# Altium PCB OldBoard.PcbDoc (part 3 of 3)
Units mm, origin at the board's own origin, x right, y up, seen from the top; angles counter-clockwise.
Board outline 125 x 109.7 mm, 2 copper layers (L1_Top, L14_Bot), stack 1.671 mm thick; 198 components, 135 nets, 569 pads, 819 vias.
Unrouted connection lines stored in the file: 121.
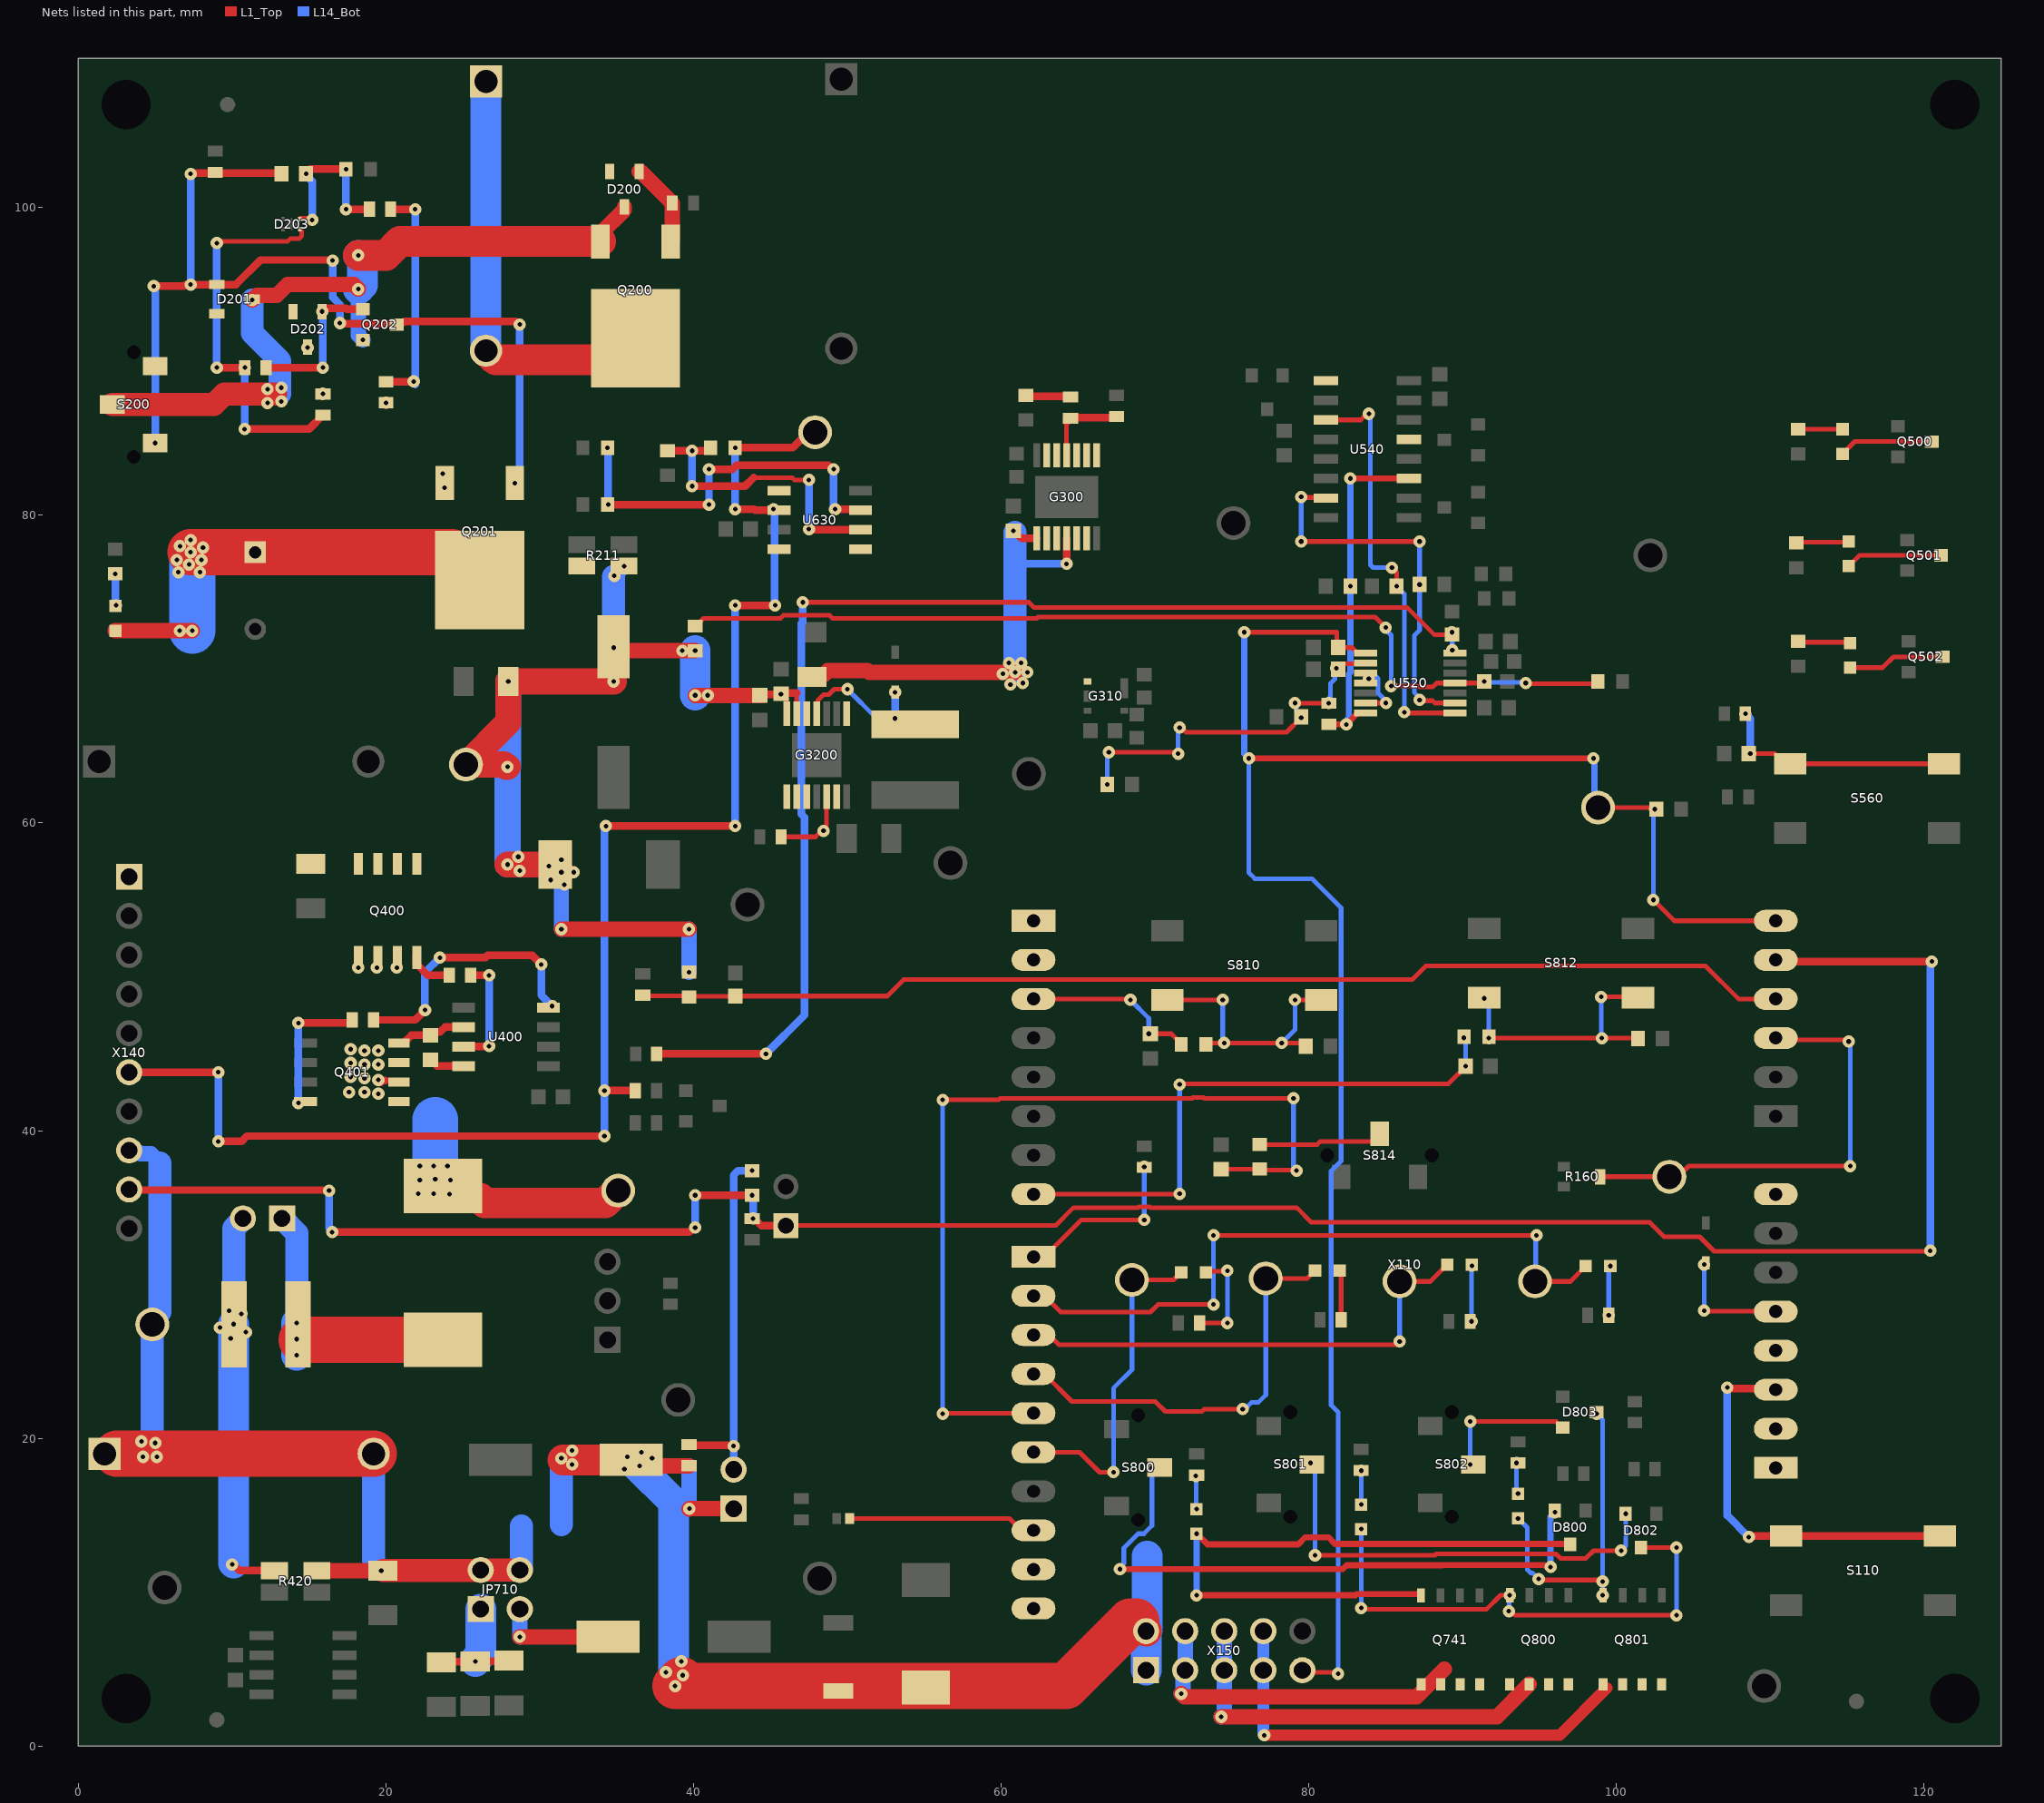
[diagram p3: the nets of this part, all layers, seen from the top]

## Via types
v1: diameter 0.8, hole 0.3, L1_Top to L14_Bot, tented both sides, 819 vias

## Nets (pads, with @x,y where several pads share a name; then routed paths per layer and width w, separated by ;. In a path a pad name is that pad's centre, name@x,y a point inside that pad or via, vN(x,y) a via of type N, cw(c..) or ccw(c..) an arc to the next point about the centre after c; other vN are vias at no path point) (continued)
Input_Current: R110.2 R634.2 TP630.1 U630.6 X140.6 | length 101.5
  L1_Top w0.5: X140.6@3.3,43.8 v1(9.1,43.8) ; v1(9.1,39.3) 10.606,39.3 10.956,39.65 v1(34.2,39.65) ; v1(34.2,42.6) R110.2@36.21,42.6 ; v1(34.3,59.8) v1(42.7,59.8) ; v1(42.7,74.15) v1(45.3,74.15) ; v1(42.7,80.4) 43.937,80.4 44.002,80.335 U630.6@45.2,80.335 ; v1(42.7,84.4) 46.44,84.4 47.44,85.4 TP630.1@47.9,85.4
  L14_Bot w0.5: v1(9.1,39.3) v1(9.1,43.8) ; v1(34.2,39.65) 34.2,59.619 34.3,59.719 v1(34.3,59.8) ; v1(42.7,59.8) v1(42.7,74.15) ; v1(42.7,80.4) v1(42.7,84.4) ; v1(45.2,80.4) 45.25,80.35 45.25,74.2 v1(45.3,74.15)
INV_TLV197: R633.2 R634.1 U630.2 | length 19.8
  L1_Top w0.3: 43.893,82.45 46.411,82.45 46.561,82.3 v1(47.5,82.3)
  L1_Top w0.5: R633.2@38.35,84.15 R633.2@38.3,84.2 40.925,84.2 41.1,84.375 R634.1@41.1,84.4 R634.1@41.05,84.35 ; v1(39.9,81.9) 43.343,81.9 43.893,82.45 ; v1(47.5,79.1) 47.535,79.065 U630.2@50.85,79.065
  L14_Bot w0.5: v1(39.9,81.9) v1(39.9,84.2) ; v1(47.5,79.1) v1(47.5,82.3)
Load1: Q741.5 Q741.6 Q741.7 Q741.8 X150.3 X150.4 | length 22.1
  L1_Top w1: v1(71.7,3.4) 71.9,3.2 87,3.2 88.8,5
  L14_Bot w1: v1(71.7,3.4) 71.826,3.526 71.826,4.796 X150.3@71.96,4.93 X150.4@71.96,7.47
Load2: Q800.5 Q800.6 Q800.7 Q800.8 X150.5 X150.6 | length 26.6
  L1_Top w1: v1(74.3,1.9) 92.218,1.9 Q800.6@94.33,4.013
  L14_Bot w1: v1(74.3,1.9) 74.5,2.1 X150.6@74.5,7.47
Load3: Q801.5 Q801.6 Q801.7 Q801.8 X150.7 X150.8 | length 30.3
  L1_Top w0.75: v1(77.1,0.7) 96.3,0.7 Q801.5@99.371,3.771
  L14_Bot w0.75: X150.8@77.04,7.47 77.04,0.774 77.1,0.714 v1(77.1,0.7)
NetC210_1: C210.1 D210.2 Q201.2 R211.2 | length 31
  L1_Top w1: D210.2@2.4,72.5 v1(7.4,72.5)
  L1_Top w2: Q201.2@24.3,77.6 Q201.2@26.1,75.8 Q201.2@27,76.7
  L1_Top w3: v1(7.3,77.6) C210.1@11.5,77.6 Q201.2@24.3,77.6
  L14_Bot w0.5: v1(7.3,77.6) v1@7.4,77.5
  L14_Bot w3: v1(7.4,72.5) v1@7.4,77.5
  other v1: 6.594,72.5 6.5,76.3 7.9,76.3 7.2,76.8 6.4,77.1 8,77.1 8.1,77.9 6.6,78 7.3,78.4
NetC500_1: C500.1 R507.2 S560.1 S560.2 | length 15.7
  L1_Top w0.3: C500.1@108.6,64.5 v1(108.7,64.5) 110.3,64.5 110.95,63.85 S560.1@111.3,63.85 S560.2@121.3,63.85
  L14_Bot w0.5: v1(108.38,67.1) 108.7,66.78 v1(108.7,64.5)
NetC506_2: C506.2 R506.2 U520.7 | length 82.3
  L1_Top w0.3: v1(47.1,74.35) 61.794,74.35 62.144,74 86.4,74 88.15,72.25 C506.2@89.3,72.25 v1(89.3,72.4) ; U520.7@89.35,71.145 89.35,71.125 89.425,71.05 U520.7@89.5,71.05
  L1_Top w0.5: R506.2@37.6,45 v1(44.7,45)
  L14_Bot w0.3: v1(89.3,72.4) 89.325,72.375 89.325,71.17 v1@89.35,71.145
  L14_Bot w0.5: v1(44.7,45) 47.2,47.5 47.2,60.382 47,60.582 47,72.95 47.1,73.05 v1(47.1,74.35)
  other v1: 89.325,71.234
NetC521_2: C521.2 R510.2 R511.2 U520.4 | length 62.8
  L1_Top w0.3: R510.2@40.1,72.8 40.15,72.8 40.65,73.3 45.652,73.3 45.852,73.5 48.836,73.5 49.036,73.3 62.292,73.3 62.392,73.4 84.3,73.4 v1(85,72.7) ; v1(85.35,68.9) 87.153,68.9 87.203,68.85 88.052,68.85 88.302,69.1 U520.4@89.5,69.1 91.3,69.1 v1(91.4,69.2) ; v1(94.1,69.1) 94.15,69.05 98.35,69.05 R511.2@98.4,69
  L14_Bot w0.3: v1(85,72.7) 85,72.565 85.35,72.215 v1(85.35,68.9) ; v1(91.4,69.2) 91.45,69.15 94.05,69.15 v1(94.1,69.1)
NetC710_2: C710.2 C711.2 C712.2 JP710.1 | length 8
  L1_Top w0.5: C711.2@23.6,5.45 23.625,5.475 25.775,5.475 v1(25.8,5.5) 25.825,5.525 27.975,5.525 C712.2@28,5.55
  L14_Bot w2: v1(25.8,5.5) 25.8,5.581 26.16,5.941 JP710.1@26.16,8.9
NetC715_1: C715.1 JP710.3 | length 7.6
  L1_Top w1: v1(28.7,7.1) C715.1@34.45,7.1
  L14_Bot w1: v1(28.7,7.1) JP710.3@28.7,8.9
NetD112_1: D112.1 X110.5A | length 7.8
  L1_Top w0.3: v1(105.7,28.3) 105.728,28.272 110.332,28.272 X110.5A@110.36,28.244 ; v1(105.7,31.3) D112.1@105.8,31.4
  L14_Bot w0.3: v1(105.7,28.3) v1(105.7,31.3)
NetD200_2: D200.2
NetD201_2: D201.2
NetD202_2: D202.2
NetD210_1: D210.1 R210.1 | length 2.1
  L14_Bot w0.5: v1(2.4,76.2) 2.4,74.2 v1(2.45,74.15)
NetD320_1: D320.1 G3200.11 L320.1 | length 8.7
  L1_Top w0.3: G3200.11@48,67.1 48,67.325 48.075,67.4 48.075,67.975 48.45,68.35 48.786,68.35 49.136,68.7 v1(50,68.7)
  L14_Bot w0.3: v1(50,68.7) 51.9,66.8
  L14_Bot w0.5: 51.9,66.8 v1(53.1,66.8) v1(53.1,68.5)
  other v1: 53.1,66.8
NetD502_1: D502.1 R552.2 | length 3.4
  L1_Top w0.3: R552.2@111.7,78.2 111.75,78.25 115.05,78.25 D502.1@115.1,78.3
NetD502_2: D502.2 Q501.3 | length 6.3
  L1_Top w0.3: D502.2@115.1,76.7 115.8,77.4 Q501.3@121.1,77.4
NetD503_1: D503.1 R553.2 | length 3.4
  L1_Top w0.3: R553.2@111.8,71.8 111.85,71.75 115.15,71.75 D503.1@115.2,71.7
NetD503_2: D503.2 Q502.3 | length 6.3
  L1_Top w0.3: D503.2@115.2,70.1 117.3,70.1 118,70.8 Q502.3@121.2,70.8
NetD550_1: D550.1 R551.1 | length 2.9
  L1_Top w0.3: R551.1@111.8,85.6 D550.1@114.7,85.6
NetD550_2: D550.2 Q500.3 | length 6.1
  L1_Top w0.3: D550.2@114.7,84 115.5,84.8 Q500.3@120.5,84.8
NetD741_1: D741.1 R800.1 | length 2.2
  L14_Bot w0.3: v1(72.65,17.56) 72.675,17.535 72.675,15.425 v1(72.7,15.4)
NetD741_2: D741.2 D800.3 Q741.4 | length 43.7
  L1_Top w0.4: v1(72.7,9.8) 83.041,9.8 83.117,9.876 87.245,9.876 87.295,9.826 Q741.4@87.295,9.794 ; v1(72.7,13.8) 73.4,13.1 79.3,13.1 79.766,13.566 81.271,13.566 81.694,13.143 96.957,13.143 D800.3@97,13.1
  L14_Bot w0.4: v1(72.7,9.8) v1(72.7,13.8)
NetD801_1: D801.1 R801.1 | length 3.2
  L14_Bot w0.3: v1(99.5,28) 99.5,31.1 v1(99.6,31.2)
NetD802_3: D802.3 D804.2 Q800.4 | length 34
  L1_Top w0.3: v1(83.4,8.975) 83.457,8.918 83.818,8.918 83.854,8.881 91.541,8.881 92.46,9.8 v1(93.06,9.8) ; v1(93,8.768) 93.135,8.768 93.385,8.518 103.883,8.518 v1(103.9,8.5) ; D802.3@101.6,12.9 v1(103.9,12.9)
  L14_Bot w0.3: v1(83.4,8.975) v1(83.4,14.1) ; v1(93,8.768) 93.03,8.798 93.03,9.77 v1(93.06,9.8) ; v1(103.9,8.5) v1(103.9,12.9)
NetD803_3: D803.3 D805.2 Q801.4 | length 20.8
  L1_Top w0.3: v1(94.943,10.861) 95.011,10.793 99.007,10.793 v1(99.1,10.7) ; v1(99.1,9.8) Q801.4@99.13,9.8
  L14_Bot w0.3: v1(93.6,14.8) 94.2,14.2 94.2,11.469 94.412,11.256 94.526,11.256 94.921,10.861 v1(94.943,10.861) ; v1(98.7,21.6) 99.1,21.2 v1(99.1,10.7) v1(99.1,9.8)
NetD804_1: D804.1 R802.1 | length 2.2
  L1_Top w0.3: v1(83.4,17.9) R802.1@83.4,17.91
  L14_Bot w0.3: v1(83.4,15.7) v1(83.4,17.9)
NetD805_1: D805.1 R803.1 | length 2.1
  L1_Top w0.3: v1(93.5,18.4) R803.1@93.6,18.4
  L14_Bot w0.3: v1(93.5,18.4) 93.5,16.5 v1(93.6,16.4)
NetD806_1: D806.1 R804.1 | length 3.7
  L1_Top w0.3: R804.1@90.49,27.6 v1(90.575,27.6)
  L14_Bot w0.3: v1(90.575,27.6) 90.575,31.194 v1(90.6,31.219)
NetD807_1: D807.1 R805.1 | length 3.2
  L1_Top w0.3: D807.1@82,30.9 82.1,30.8 R805.1@82.1,27.7
NetD808_1: D808.1 R806.1 | length 6.7
  L1_Top w0.3: R806.1@72.89,27.5 v1(74.7,27.5) ; D808.1@73.3,30.8 73.35,30.85 74.65,30.85 v1(74.7,30.9)
  L14_Bot w0.3: v1(74.7,27.5) v1(74.7,30.9)
NetG300_2: G300.2
NetG300_3: G300.3
NetG300_5: G300.5
NetG300_6: G300.6
NetG300_8: G300.8
NetG300_9: G300.9
NetG300_10: G300.10
NetG300_12: G300.12
NetG300_13: G300.13
NetG310_1: G310.1
NetG3200_1: G3200.1
NetG3200_2: G3200.2
NetG3200_3: G3200.3
NetG3200_5: G3200.5 R320.1 | length 5
  L1_Top w0.3: R320.1@45.69,59.1 47.92,59.1 v1@48.267,59.447 ; v1(48.444,59.489) 48.444,59.624 48.65,59.83 G3200.5@48.65,61.7
NetG3200_6: G3200.6
NetG3200_8: G3200.8
NetG3200_12: G3200.12
NetJP421_1: JP421.1 L420.2 L421.1 | length 17.7
  L1_Top w3: L421.1@14.5,26.4 L420.2@23.7,26.4
  L14_Bot w1.5: JP421.1@13.24,34.3 14.2,33.34 14.2,28.326
  L14_Bot w2: v1(14.2,25.4) v1(14.2,26.45) v1(14.2,27.5)
NetJP421_2: JP421.2 L421.2 R420.1 | length 25.7
  L1_Top w0.5: v1(10,11.8) 10.081,11.8 10.481,11.4 R420.1@12.75,11.4 ; v1(10.1,27.425) L421.2@10.125,27.4
  L14_Bot w0.5: v1(10,11.8) v1@10.1,11.9
  L14_Bot w1.5: v1(10.1,27.425) 10.1,33.646 10.7,34.246 JP421.2@10.7,34.3
  L14_Bot w2: v1@10.1,11.9 v1(10.1,27.425)
  other v1: 9.9,26.5 10.9,26.9 9.2,27.2 10.6,28.1 9.8,28.3
NetQ400_4: Q400.4 R400.1 | length 2.9
  L1_Top w0.5: Q400.4@21.97,51.3 21.97,50.85 22.72,50.1 R400.1@24.12,50.1
NetQ401_4: Q401.4 R401.1 | length 8.9
  L1_Top w0.5: Q401.4@14.29,41.81 v1(14.3,41.8) ; v1(14.3,47) 17.7,47 17.81,47.11 R401.1@17.81,47.2
  L14_Bot w0.5: v1(14.3,41.8) v1(14.3,47)
NetR112_2: R112.2 X110.1C | length 11.7
  L1_Top w0.3: X110.1C@62.1,31.8 62.811,31.8 64.286,33.275 64.286,33.286 65.2,34.2 v1(69.3,34.2) ; R112.2@69.3,37.61 v1(69.3,37.65)
  L14_Bot w0.3: v1(69.3,34.2) v1(69.3,37.65)
NetR204_2: R204.2 R205.2 | length 14.8
  L1_Top w0.5: R204.2@20,88.68 20.01,88.69 21.79,88.69 v1(21.8,88.7) ; R205.2@20.3,99.9 v1(21.9,99.9)
  L14_Bot w0.5: v1@21.9,88.5 v1(21.9,99.9)
NetR301_2: R301.2 R302.2 | length 2.9
  L1_Top w0.5: R301.2@61.6,87.8 61.655,87.745 64.445,87.745 R302.2@64.5,87.69
NetR400_2: R400.2 U400.7 | length 7.4
  L1_Top w0.5: U400.7@25.1,45.465 26.665,45.465 v1(26.7,45.5) ; R400.2@25.5,50.1 v1(26.7,50.1)
  L14_Bot w0.5: v1(26.7,45.5) v1(26.7,50.1)
NetR401_2: R401.2 U400.4 | length 17.3
  L1_Top w0.5: R401.2@19.19,47.2 21.9,47.2 v1(22.537,47.837) ; v1(23.5,51.25) 26.466,51.25 26.616,51.4 29.5,51.4 v1(30.1,50.8)
  L14_Bot w0.5: v1(22.537,47.837) 22.537,50.287 v1(23.5,51.25) ; v1(30.1,50.8) 30.1,48.8 v1(30.8,48.1)
NetR810_1: R810.1 R811.1 S810.1 S810.2 | length 17.9
  L1_Top w0.3: S810.2@70.8,48.5 v1(74.4,48.5) ; R811.1@73.3,45.6 73.4,45.7 v1(74.5,45.7) v1(78.234,45.7) 79.6,45.7 R810.1@79.8,45.5 ; v1(79.1,48.5) S810.1@80.8,48.5
  L14_Bot w0.3: v1(74.4,48.5) 74.4,45.8 v1(74.5,45.7) ; v1(78.234,45.7) 79.1,46.566 v1(79.1,48.5)
NetR812_1: R812.1 R813.1 S812.1 S812.2 | length 17.6
  L1_Top w0.3: R813.1@91.7,46.1 v1(91.7,46.008) v1(99.053,46.008) 101.392,46.008 R812.1@101.4,46 ; v1(99,48.7) 101.35,48.7 S812.1@101.4,48.65
  L14_Bot w0.3: v1(91.4,48.6) 91.7,48.3 v1(91.7,46.008) ; v1(99,48.7) 99,46.061 v1(99.053,46.008)
NetR814_1: R814.1 S814.2 | length 8.1
  L1_Top w0.3: R814.1@76.8,39.1 80.538,39.1 80.738,39.3 84.15,39.3 84.6,39.75 S814.2@84.6,39.8
NetS200_3: S200.3
NetU520_10: U520.10 U520.11 U520.13 | length 3.3
  L1_Top w0.3: U520.13@83.7,67.8 v1(85.006,67.8)
  L14_Bot w0.3: 84.323,69.551 84.499,69.375 84.499,68.442 85.006,67.935 v1(85.006,67.8)
  other v1: 83.899,69.375
NetU540_1: U540.1
NetU540_13: U540.13
NetU630_1: U630.1
NetU630_5: U630.5
NetU630_8: U630.8
Netw-: R720.1 R721.2 X720.2 | length 23.4
  L1_Top w0.5: R720.1@39.7,19.6 39.75,19.55 42.55,19.55 v1(42.6,19.5)
  L14_Bot w0.5: X720.2@42.6,17.97 v1(42.6,19.5) 42.6,37.107 42.893,37.4 v1(43.8,37.4)
NetX100_1: Q200.2 Vin_unf.1 Vin_unf.2 | length 28
  L1_Top w2: Vin_unf.2@26.5,90.7 26.527,90.7 27.127,90.1 34.82,90.1 Q200.2@36.22,91.5
  L14_Bot w2: Vin_unf.2@26.5,90.7 Vin_unf.1@26.5,108.2
NetX105_1: X105.1 X110.8C | length 12.3
  L1_Top w0.3: X105.1@50.134,14.8 60.527,14.8 61.307,14.02 X110.8C@62.1,14.02
NetX110_1A: X110.1A
NetX110_1D: X110.1D
NetX110_2A: X110.2A
NetX110_2D: X110.2D
NetX110_4A: X110.4A
NetX110_8A: X110.8A
NetX110_9C: X110.9C
NetX110_10C: X110.10C
NINV_TLV197: R631.2 R632.1 U630.3 | length 25.2
  L1_Top w0.5: R631.2@34.4,80.7 v1(34.445,80.7) v1(41,80.7) ; v1(41,83) 42.528,83 42.778,83.25 48.769,83.25 49.019,83 v1(49.1,83) ; v1(49.2,80.4) 50.235,80.4 50.25,80.385 50.8,80.385 U630.3@50.85,80.335
  L14_Bot w0.5: v1(34.4,84.4) 34.445,84.355 v1(34.445,80.7) ; v1(41,80.7) v1(41,83) ; v1(49.1,83) 49.1,80.5 v1(49.2,80.4)
NTC_ext: C533.2 R532.1 TP532.1 U520.8 X110.6B X150.9 | length 128.8
  L1_Top w0.3: v1(75.8,72.4) 81.824,72.4 81.824,71.476 C533.2@81.9,71.4 82.825,71.4 83.175,71.05 U520.8@83.7,71.05 ; X150.9@79.58,4.93 79.714,4.796 81.804,4.796 v1(81.9,4.7) ; TP532.1@98.8,61 102.4,61 v1(102.5,60.9) ; v1(102.4,55) 103.756,53.644 X110.6B@110.36,53.644
  L1_Top w0.4: v1(76.1,64.2) v1(98.5,64.2)
  L14_Bot w0.3: v1(76.1,64.2) 76.1,56.776 76.496,56.38 80.2,56.38 82.1,54.48 82.1,38.027 81.45,37.377 81.45,22.154 81.9,21.704 v1(81.9,4.7) ; TP532.1@98.8,61 TP532.1@98.904,60.896 ; v1(102.4,55) 102.4,60.8 v1(102.5,60.9) ; X110.6B@110.2,53.804 X110.6B@110.36,53.644
  L14_Bot w0.4: v1@75.7,72.3 v1(75.8,72.4) 75.8,64.5 v1(76.1,64.2) ; v1(98.5,64.2) 98.577,64.123 98.577,61.223 TP532.1@98.8,61
NTC_Ext_Thresh: C530.2 R500.1 R502.2 R528.2 U520.9 | length 24.1
  L1_Top w0.3: v1(67,64.6) 71.4,64.6 v1(71.5,64.5) ; v1(71.6,66.2) 71.726,66.2 72.026,65.9 78.55,65.9 v1(79.5,66.85) ; v1(79.1,67.8) 79.105,67.795 v1(81.295,67.795) R528.2@81.3,67.79 ; C530.2@82.225,70.35 83.65,70.35 U520.9@83.7,70.4
  L14_Bot w0.3: v1(66.9,62.5) 66.9,64.5 v1(67,64.6) ; v1(71.5,64.5) 71.5,66.1 v1(71.6,66.2) ; v1(79.1,67.8) 79.196,67.704 79.196,67.29 79.5,66.985 v1(79.5,66.85) ; v1(81.295,67.795) 81.391,67.891 81.391,68.211 81.4,68.221 81.4,69.067 81.685,69.352 81.685,69.971 v1(81.781,70.067)
Ov_Gate: D202.1 Q202.1 R203.1 | length 10.2
  L1_Top w0.5: R203.1@12.2,89.6 v1(15.9,89.6) ; v1(15.85,93.25) 15.85,93.4 15.9,93.45 17.394,93.45 17.444,93.4 Q202.1@18.5,93.4
  L14_Bot w0.5: v1(15.85,93.25) 15.9,93.2 v1(15.9,89.6)
Overcurr: R501.1 U520.1 U540.3 | length 27.4
  L1_Top w0.3: U540.3@81.1,86.205 83.37,86.205 83.765,86.6 v1(83.9,86.6) ; v1(85.4,76.6) 85.7,76.3 v1(85.7,75.4) ; v1(86.2,67.2) 86.25,67.15 U520.1@89.5,67.15
  L14_Bot w0.3: v1(83.9,86.6) 84,86.5 84,76.776 84.176,76.6 v1(85.4,76.6) ; v1(85.7,75.4) 86.2,74.9 v1(86.2,67.2)
Overtemp_Ext: R527.1 R528.1 U520.14 U540.11 | length 22.6
  L1_Top w0.4: R528.1@81.3,66.41 v1(82.435,66.41) 83.175,67.15 U520.14@83.7,67.15 ; v1(82.7,82.4) 82.702,82.398 86.498,82.398 U540.11@86.5,82.395
  L14_Bot w0.4: v1(82.435,66.41) 82.512,66.487 82.512,66.756 82.6,66.844 82.6,69.694 82.7,69.794 v1(82.7,75.4) v1(82.7,82.4)
Pwr_Gate: D201.1 Q201.1 Q202.3 R209.2 R214.2 S200.1 | length 62
  L1_Top w0.5: v1(4.9,94.9) 6.869,94.9 v1@6.969,95 ; v1(7.3,95) D201.1@9,95 10.25,95 11.85,96.6 16.5,96.6 v1(16.533,96.567) ; v1(7.3,102.2) 7.35,102.25 8.85,102.25 R209.2@8.9,102.3 8.95,102.25 13.15,102.25 R214.2@13.2,102.2 ; v1(17,92.5) 17.05,92.45 20.65,92.45 Q202.3@20.7,92.4 20.85,92.55 21.143,92.55 21.193,92.6 28.419,92.6 28.619,92.4 v1(28.7,92.4)
  L14_Bot w0.5: v1(4.9,94.9) 5,94.8 v1(5,84.7) ; v1(7.3,95) v1(7.3,102.2) ; v1(16.533,96.567) 16.533,94.175 17,93.708 v1(17,92.5) ; v1(28.38,82.1) 28.7,82.42 v1(28.7,92.4)
Reset: S110.3 S110.4 X110.3A | length 25.6
  L1_Top w0.5: v1(107.2,23.3) 107.257,23.243 110.281,23.243 X110.3A@110.36,23.164 ; v1(108.6,13.584) 108.6,13.65 S110.4@111.038,13.65 S110.3@120.6,13.65
  L14_Bot w0.5: v1(107.2,23.3) 107.2,14.984 v1(108.6,13.584)
RevPolGate: D200.1 Q200.1 R200.2 | length 5.6
  L1_Top w0.3: Q200.1@38.5,97.8 Q200.1@38.61,97.91
  L1_Top w1: D200.1@36.45,102.35 36.56,102.35 R200.2@38.61,100.3 Q200.1@38.61,97.91
Switch1: D800.2 S800.2 | length 39.5
  L1_Top w0.4: v1(67.72,11.5) 82.21,11.5 82.46,11.75 88.678,11.75 88.69,11.761 95.315,11.761 95.357,11.719 95.64,11.719 v1(95.717,11.643)
  L14_Bot w0.3: v1(67.72,11.5) 67.72,11.635 67.97,11.885 67.97,12.871 68.899,13.8 69.273,13.8 69.8,14.327 v1(69.8,18.1)
  L14_Bot w0.4: v1(95.717,11.643) 95.717,14.917 v1(96,15.2)
Switch2: D802.2 S801.2 | length 28.9
  L1_Top w0.3: v1(80.4,12.4) 88.188,12.4 88.281,12.493 96.069,12.493 96.362,12.2 98.013,12.2 98.513,12.7 v1(100.3,12.7)
  L14_Bot w0.3: v1(80.1,18.4) 80.4,18.1 v1(80.4,12.4) ; v1(100.3,12.7) 100.6,13 v1(100.6,15.1)
Switch3: D803.2 S802.2 | length 9.2
  L1_Top w0.3: v1(90.5,18.3) S802.2@90.7,18.3 ; v1(90.5,21.1) 96.1,21.1 96.1,21.05 96.45,20.7 D803.2@96.5,20.7
  L14_Bot w0.3: v1(90.5,18.3) v1(90.5,21.1)
TL431ref: D203.4 R205.1 R212.1 R214.1 | length 10.7
  L1_Top w0.3: D203.4@14.4,99.3 v1@15.039,99.3
  L1_Top w0.5: v1(14.8,102.2) 14.8,102.25 15.05,102.5 v1(17.4,102.5) ; v1(17.4,99.9) R205.1@18.92,99.9
  L14_Bot w0.5: v1(14.8,102.2) 14.8,102.119 15.2,101.719 v1(15.2,99.2) ; v1(17.4,99.9) v1(17.4,102.5)
Undervolt: R509.1 U520.2 U540.7 | length 25.2
  L1_Top w0.3: v1(79.5,78.3) v1(87.2,78.3) ; v1(79.5,81.2) 79.537,81.163 81.063,81.163 U540.7@81.1,81.125 ; v1(87.2,68) 87.25,67.95 88.05,67.95 88.2,67.8 U520.2@89.5,67.8
  L14_Bot w0.3: v1(79.5,78.3) v1(79.5,81.2) ; v1(87.2,68) 87.2,68.135 86.85,68.485 86.85,72.181 87.2,72.531 v1(87.2,78.3)
  other v1: 87.2,75.5
UserBtn1: C811.2 R811.2 X110.3D | length 11.4
  L1_Top w0.3: X110.3D@62.1,48.564 68.336,48.564 v1(68.4,48.5) ; v1(69.592,46.3) C811.2@69.7,46.3 71.05,46.3 71.7,45.65 R811.2@71.7,45.6
  L14_Bot w0.3: v1(68.4,48.5) 69.592,47.308 v1(69.592,46.3)
UserBtn2: C813.2 R813.2 X110.8D | length 37.6
  L1_Top w0.3: X110.8D@62.1,35.864 71.564,35.864 v1(71.6,35.9) ; v1(71.6,43) 71.65,43.05 89.075,43.05 90.191,44.166 v1(90.191,44.191) C813.2@90.2,44.2 ; R813.2@90.042,46.036 v1(90.064,46.036)
  L14_Bot w0.3: v1(71.6,35.9) v1(71.6,43) ; v1(90.064,46.036) 90.191,45.909 v1(90.191,44.191)
UserLED1: D801.2 X110.2C X801.1 | length 44.6
  L1_Top w0.3: X110.2C@62.1,29.26 62.811,29.26 63.872,28.2 69.7,28.2 70.2,28.7 v1(73.8,28.7) ; v1(73.8,33.2) v1(94.8,33.2) ; X801.1@94.7,30.2 97,30.2 D801.2@98,31.2
  L14_Bot w0.3: v1(73.8,28.7) v1(73.8,33.2) ; X801.1@94.7,30.2 94.8,30.3 94.75,30.35 94.75,33.15 v1(94.8,33.2)
UserLED2: D806.2 X110.3C X806.1 | length 31.6
  L1_Top w0.3: X110.3C@62.1,26.72 63.115,26.72 63.754,26.081 85.681,26.081 v1(85.9,26.3) ; X806.1@85.9,30.2 87.9,30.2 D806.2@89,31.3
  L14_Bot w0.3: v1(85.9,26.3) X806.1@85.9,30.2
UserLED3: D807.2 X110.4C X805.1 | length 27.5
  L1_Top w0.3: X110.4C@62.1,24.18 62.811,24.18 64.591,22.4 70.012,22.4 70.662,21.75 73.039,21.75 73.189,21.9 v1(75.7,21.9) ; X805.1@77.2,30.4 79.9,30.4 D807.2@80.4,30.9
  L14_Bot w0.3: v1(75.7,21.9) 75.835,21.9 76.282,22.347 76.726,22.347 77.2,22.82 X805.1@77.2,30.4
UserLED4: D808.2 X110.6C X808.1 | length 22.1
  L1_Top w0.3: X110.6C@62.1,19.1 65.1,19.1 66.4,17.8 v1(67.3,17.8) ; X808.1@68.5,30.3 71.2,30.3 D808.2@71.7,30.8
  L14_Bot w0.3: v1(67.3,17.8) 67.3,23.261 68.5,24.461 X808.1@68.5,30.3
UserPot: R160.2 TP160.1 X110.3B | length 29.5
  L1_Top w0.3: R160.2@98.938,37.009 TP160.1@103.442,37.009 104.009,37.009 104.7,37.7 v1(115.2,37.7) ; X110.3B@110.36,46.024 110.488,45.896 115.004,45.896 v1(115.1,45.8)
  L14_Bot w0.3: v1(115.1,45.8) 115.2,45.7 v1(115.2,37.7)
UserSw: C814.2 R814.2 X110.5C | length 59
  L1_Top w0.3: v1(56.2,21.6) 56.24,21.64 X110.5C@62.1,21.64 ; v1(56.2,42) 59.809,42 59.914,42.105 72.403,42.105 72.448,42.15 73.152,42.15 73.197,42.105 78.995,42.105 v1(79,42.1) ; C814.2@74.3,37.5 R814.2@76.8,37.5 ; R814.2@76.8,37.6 76.95,37.45 79.15,37.45 v1(79.2,37.4)
  L14_Bot w0.3: v1(56.2,21.6) v1(56.2,42) ; v1(79,42.1) 79,37.6 v1(79.2,37.4)
VA: G300.11 R302.1 R303.2 | length 5.6
  L1_Top w0.3: G300.11@64.25,83.9 R302.1@64.25,86.06
  L1_Top w0.5: R302.1@64.25,86.06 64.255,86.065 64.255,86.2 64.365,86.31 R302.1@64.5,86.31 64.555,86.365 67.445,86.365 R303.2@67.5,86.42
VB_Buck: C402.2 U400.8 | length 2.4
  L1_Top w0.5: C402.2@22.9,44.6 22.925,44.6 23.33,44.195 U400.8@25.1,44.195
Vin: C212.1 C213.2 C220.1 C300.2 C320.2 C321.2 C404.2 D211.1 G300.1 G300.4 G3200.13 G3200.14 Q400.5 Q400.6 Q400.7 Q400.8 R211.1 R220.1 R510.1 TP211.1 X140.1 | length 102
  L1_Top w0.3: v1(45.675,68.375) 45.75,68.375 46.05,68.075 G3200.14@46.05,67.1 ; G3200.13@46.7,67.1 46.7,68.45
  L1_Top w0.5: v1(34.8,71.4) C212.1@35,71.2 ; C220.1@44.55,68.05 44.55,68.075 44.325,68.3 C220.1@44.3,68.3 44.35,68.35 45.65,68.35 v1(45.675,68.375) C320.2@45.7,68.4 45.75,68.45 46.7,68.45 ; v1(60.8,79) 60.825,79 61.325,78.5 G300.1@62.3,78.5 ; v1(64.25,76.843) G300.4@64.25,78.5
  L1_Top w1: v1(31.4,53.1) v1(39.7,53.1) ; C212.1@35,71.2 v1(40.1,71.2) ; v1(40.1,68.3) C220.1@44.3,68.3 ; C321.2@47.7,69.5 47.85,69.65 48.486,69.65 48.736,69.9 51.3,69.9 51.4,69.8 v1(60.9,69.8)
  L1_Top w1.7: v1(27.897,57.303) 27.9,57.3 30.5,57.3 v1(30.6,57.2) 30.7,57.3 30.9,57.3 v1(31.4,56.8) ; v1(27.897,63.65) 27.816,63.65 27.666,63.8 TP211.1@25.2,63.8 27.95,66.55 v1(27.95,69.2) v1(34.8,69.2)
  L14_Bot w0.5: 60.9,76.8 60.943,76.843 v1(64.25,76.843)
  L14_Bot w1: v1(31.4,53.1) v1(31.4,56.8) ; v1@34.8,76.025 v1(35.475,76.7) ; v1(39.7,50.3) v1(39.7,53.1) ; v1(60.8,79) v1@60.9,78.9
  L14_Bot w1.5: v1(34.8,69.2) v1(34.8,71.4) v1@34.8,76.025 ; v1(60.9,69.8) 60.9,76.8 v1@60.9,78.9
  L14_Bot w1.7: v1(27.897,57.303) v1(27.897,63.65) 27.95,63.65 v1(27.95,69.2)
  L14_Bot w2: v1(40.1,68.3) v1(40.1,71.2)
  other v1: 31.6,56 30.7,56.3 32.2,56.8 28.7,56.9 31.4,57.6 28.6,57.8 40.917,68.3 60.6,69 61.4,69.1 60.1,69.7 61.7,69.8 60.5,70.4 61.3,70.4 39.265,71.2 34.846,76.071
Vin_Meas: C221.2 R220.2 R221.1 X110.4B | length 75.4
  L1_Top w0.3: R221.1@36.7,48.81 36.755,48.755 39.645,48.755 R220.2@39.7,48.7 39.725,48.725 C221.2@42.725,48.725 ; C221.2@42.7,48.75 52.592,48.75 53.667,49.825 86.725,49.825 87.6,50.7 105.8,50.7 107.936,48.564 X110.4B@110.36,48.564
Vin_RevPol: D200.3 D201.3 D202.3 Q200.3 Q201.3 Q202.2 R202.2 R204.1 S200.2 | length 50
  L1_Top w1: v1(11.3,94) D201.3@11.3,94.05 ; D201.3@11.35,94.05 11.6,94.3 12.9,94.3 13.6,95 17.9,95 v1(18.2,94.7) ; Q200.3@33.94,97.8 33.94,98.3 35.5,99.86 D200.3@35.5,100.05
  L1_Top w1.5: S200.2@2.2,87.2 8.805,87.2 9.495,87.89 12.81,87.89
  L1_Top w2: v1(18.2,96.9) 20,96.9 20.9,97.8 Q200.3@33.94,97.8
  L14_Bot w1: v1(18.2,94.7) 18.2,91.7 v1(18.5,91.4)
  L14_Bot w1.5: v1(11.3,94) 11.3,91.85 13.1,90.05 13.1,87.9
  L14_Bot w2: v1(18.2,94.7) 18.472,94.972 18.472,96.628 v1(18.2,96.9)
  other v1: 23.8,81.8 23.7,82.7 12.3,87.3 20,87.32 13.2,87.4 15.9,87.9 12.3,88.2 13.2,88.3 14.9,90.9
Vout: C700.2 C701.1 D730.1 D731.1 JP710.2 JP710.4 R420.2 R720.2 TP431.1 X102.1 X102.2 X140.8 X150.1 X150.2 X720.1 | length 138.3
  L1_Top w0.5: v1(31.4,18.7) v1@31.5,18.6 ; C701.1@35.95,18.6 C701.1@36.33,18.22
  L1_Top w1: R420.2@15.5,11.4 C700.2@19.8,11.4 ; C701.1@36.33,18.22 R720.2@39.7,18.22 ; v1@39.7,15.4 v1(39.73,15.43) X720.1@42.6,15.43
  L1_Top w1.5: C700.2@19.8,11.4 19.82,11.42 26.14,11.42 JP710.2@26.16,11.44 JP710.4@28.7,11.44
  L1_Top w2: v1@31.5,18.6 C701.1@35.95,18.6 ; 68.79,8.1 X150.2@69.42,7.47
  L1_Top w3: X102.1@2.5,19 X102.2@19.2,19 ; v1@39.2,4.3 v1(38.8,3.9) 55.7,3.9 64.2,3.9 68.4,8.1 68.79,8.1
  L14_Bot w0.5: 28.75,14.25 28.8,14.3 ; 31.2,14.2 31.4,14.4 ; v1@35.95,18.6 v1@36.205,18.345 ; v1@39.7,15.4 39.7,15.85 ; X720.1@42.5,15.33 X720.1@42.6,15.43
  L14_Bot w1: X140.8@3.3,38.72 3.434,38.586 3.929,38.586 4.025,38.49 4.714,38.49 5.3,37.905 ; TP431.1@4.8,27.4 4.8,27.725 TP431.1@5.3,28.225 ; 19.2,12.081 19.8,11.481 v1@19.8,11.4 ; 39.7,15.85 39.7,18.22
  L14_Bot w1.5: v1@4.8,18.95 4.65,18.95 4.6,19 4.8,19.2 TP431.1@4.8,27.4 ; TP431.1@5.3,28.225 5.3,37.905 ; 19.2,12.081 X102.2@19.2,19 ; JP710.4@28.7,11.44 28.7,11.494 28.8,11.594 28.8,14.3 ; 31.4,14.4 v1(31.4,18.7)
  L14_Bot w2: v1@36.205,18.345 38.7,15.85 38.7,3.5 ; X150.1@69.42,4.93 X150.2@69.42,7.47 69.5,7.55 69.5,12.35
  other v1: 39.3,4.6 38.2,4.8 39.2,5.5 19.69,11.4 35.5,18 36.491,18.22 32.1,18.3 37.3,18.7 4.2,18.8 5.1,18.8 35.7,18.8 36.6,19.1 32.1,19.2 5,19.7 4.1,19.8
Vout_Meas: R721.1 R722.1 X110.5B X140.9 X400.1 | length 154.4
  L1_Top w0.3: X400.1@46,33.83 63.53,33.83 64.7,35 68.898,35 68.948,35.05 69.652,35.05 69.702,35 79.2,35 80.15,34.05 102.15,34.05 103.093,33.107 105.405,33.107 106.348,32.163 120.363,32.163 v1(120.4,32.2)
  L1_Top w0.5: X140.9@3.3,36.18 3.34,36.14 16.26,36.14 v1(16.3,36.1) ; v1(16.5,33.4) 39.719,33.4 40.019,33.7 v1(40.1,33.7) ; v1(40.1,35.8) v1(43.8,35.8) ; R722.1@43.8,34.29 v1(43.868,34.29) 43.935,34.29 44.395,33.83 X400.1@46,33.83 ; X110.5B@110.36,51.104 110.464,51 v1(120.5,51)
  L14_Bot w0.5: v1(16.3,36.1) 16.3,33.681 16.5,33.481 v1(16.5,33.4) ; v1(40.1,33.7) v1(40.1,35.8) ; v1(43.8,35.8) 43.868,35.732 v1(43.868,34.29) ; v1(120.4,32.2) 120.4,50.9 v1(120.5,51)
VS_Buck: C402.1 L420.1 Q400.1 Q400.2 Q400.3 Q401.5 Q401.6 Q401.7 Q401.8 TP401.1 U400.6 | length 21.6
  L1_Top w0.5: v1@19.6,43.2 19.657,43.257 19.957,43.257 ; v1@19.65,43.15 v1@19.65,43.18 ; Q401.8@20.845,45.705 21.245,45.705 21.295,45.755 21.295,45.845 21.65,46.2 C402.1@22.9,46.2 ; C402.1@23.1,46.425 23.525,46.425 23.835,46.735 U400.6@25.1,46.735 ; L420.1@23.7,36.3 L420.1@23.7,36.4
  L1_Top w1: L420.1@23.7,36.3 L420.1@24.2,35.8
  L1_Top w2: L420.1@24.2,35.8 24.375,35.625 26.097,35.625 26.422,35.3 34.246,35.3 35.046,36.1 TP401.1@35.1,36.1
  L14_Bot w3: v1@23.2,36.2 23.2,40.7
  other v1: 24.129,35.871 22.1,35.9 23.1,35.9 22.2,36.8 24.2,36.8 23.2,36.858 22.2,37.7 23.1,37.7 24,37.7 19.5,42.4 17.6,42.5 18.6,42.5 19.5,43.3 18.6,43.4 17.7,43.5 18.6,44.3 19.5,44.3 17.7,44.4 18.6,45.2 19.5,45.2 17.7,45.3 18.2,50.6 19.4,50.596 20.7,50.6
Zener_20V: D203.3 R202.1 R203.2 | length 25.4
  L1_Top w0.3: v1(9,97.7) 9.096,97.796 9.421,97.796 9.426,97.8 13.594,97.8 13.77,97.976 14.339,97.976 14.515,98.151 14.515,98.445 14.515,98.475 D203.3@14.483,98.507
  L1_Top w0.5: v1(9,89.6) v1(10.82,89.6) ; v1(10.81,85.61) 15,85.61 R202.1@15.9,86.51
  L14_Bot w0.5: v1(9,89.6) v1(9,97.7) ; v1(10.81,85.61) 10.81,89.59 v1(10.82,89.6)
pads on no net: D203.2 D203.5 E100.1 E101.1 E102.1 MP100. MP101. MP102. MP103. S200. S800. S801. S802. S814.

## Polygon pours and split planes (outlines as drawn)
GND on L14_Bot "GND_L02_P028" (solid, remove dead copper, pour order 28): 0,0 0,109.7 125,109.7 125,0
Vout on L14_Bot "NONET_L-01_P-001" (solid, remove dead copper, pour order 26): 29,11.1 37.8,11.1 37.8,16.6 37.3,16.6 35.6,18.3 35.5,18.2 31.8,18.2 31.8,17.8 29.6,15.6 28.8,15.6
VS_Buck on L14_Bot "VS_BUCK PWRSTG" (solid, remove dead copper, pour order 7): 20.3,49.3 21.3,49.9 21,49.9 20.9,49.9 20.9,51.1 20.8,51 16.9,51 16.9,46.1 15.2,46.1 15.2,40.9 24.7,40.9 24.7,42.2 19.9,42.2 19.8,42.3 19.9,42.4 19.9,48.9 20.224,49.224
NetJP421_2 on L14_Bot "NONET_L-01_P-001" (solid, remove dead copper, pour order 17): 9.2,12.5 12.5,12.5 12.5,25.1 12.4,25.2 9.2,25.2
Vout on L14_Bot "NONET_L-01_P-001" (solid, remove dead copper, pour order 16): 16.5,20.4 16.6,20.3 21.1,20.3 21.1,11.785 20.915,11.6 17.7,11.6 17.7,19.6 17.6,19.7
Vin_RevPol on L14_Bot "NONET_L-01_P-001" (solid, remove dead copper, pour order 2): 17.7,86.9 17.7,82 18.7,81 24.3,81 24.3,86.3 23.9,86.7 20.2,86.7
Vin_RevPol on L14_Bot "NONET_L-01_P-001" (solid, remove dead copper, pour order 1): 8.3,98.1 20.4,98.1 20.9,97.6 20.5,97.2 20.5,84.9 11.8,84.9 11.8,89.5 8.3,93
NetX100_1 on L14_Bot "Vin_unf" (solid, remove dead copper, pour order 0): 22.75,108.65 30.25,108.65 30.25,88.02 30.002,87.772 22.75,87.772
GND on L1_Top "GND_L01_P027" (solid, remove dead copper, pour order 27): 0,0 0,109.7 125,109.7 125,0
NetC210_1 on L1_Top "NONET_L-01_P-001" (solid, remove dead copper, pour order 24): 8.4,76.2 8.4,74.3 8.3,74.2 8.4,74.1 23.6,74.1 23.6,76.3 23.9,76.6 8.6,76.6
Vin_RevPol on L1_Top "NONET_L-01_P-001" (solid, remove dead copper, pour order 23): 19,95.9 19.7,95.2 19.7,94.3 31.9,94.3 33.6,96 33.6,97.2 20.8,97.2 20,96.4 18.9,96.4
Vin on L1_Top "NONET_L-01_P-001" (solid, remove dead copper, pour order 22): 45.8,69.191 45.959,69.35 48.5,69.35 48.5,68.9 48.457,68.857 47,68.857 47,68.352 46.798,68.15 46.9,68.048 46.9,66.5 45.8,66.5
NetC210_1 on L1_Top "NONET_L-01_P-001" (solid, remove dead copper, pour order 21): 33.5,77.2 33.5,76.3 31.9,76.3 31.9,76.2 31.4,75.7 27.5,75.7 27.5,79 28.9,79 28.9,77.9 30.6,77.9 31.3,77.2
Vin on L1_Top "NONET_L-01_P-001" (solid, remove dead copper, pour order 18): 22.695,66.195 22.995,65.895 28.795,65.895 28.795,56.095 23.265,56.095 2.6,55.665 2.6,57.817 22.695,58.178

## Silkscreen, mask and mechanical layers (free items; w line width, h text height)
Top Overlay:
  drawing of 198 lines, arcs and shapes, not listed
  text "Reverse Polarity Protection" at 41.4,104.1 h2.3 r270
  text "Power" at 5.6,95.4 h2.3 r270
  text "On" at 1.85,95.25 h2.3 r270
  text "Learning Platform  / for  / Switching Regulators" at 89.9,95.2 h1.52
  text "Version 2.0" at 97.95,92.3 h1.52
  text "Safety Circuit" at 79,92.1 h2
  text "12V LDO" at 59.1,89.2 h1.7
  text "Error Flags" at 109.1,86.4 h2 r270
  text "Vin" at 23,85 h2
  text "Input Current" at 52.7,84.9 h1.7 r270
  text "Over-Voltage Protection" at 18.4,84.6 h2.3 r270
  text "Off" at 1.8,83.255 h2.3 r270
  text "Overcurrent" at 111,80.4 h2
  text "Undervolt" at 110.8,73.2 h2
  text "3V3 LDO" at 71.3,71.7 h1.7 r270
  text "5V Buck" at 59.6,70 h1.7 r270
  text "Vin" at 26.7,66.2 h2 r270
  text "Overtemp Ext" at 109.8,66 h2
  text "EXT / NTC" at 96.7,63 h1.7
  text "Buck Switching" at 23.7,60.7 h2.3 r270
  text "Fault Reset" at 112.181,56.144 h1.7
  text "Vin" at 4.8,55.6 h2
  text "User Btn 2" at 91.8,54.2 h1.7
  text "User Btn 1" at 71.5,54 h1.7
  text "12 V" at 4.9,53.2 h2
  text "NTC_EXT" at 113.2,52.8 h1
  text "Vin / Measurement" at 35.1,51.6 h1.3
  text "5 V" at 4.9,50.5 h2
  text "VOut Meas" at 113.4,50.486 h1
  text "3.3 V" at 4.9,48.2 h2
  text "VIn Meas" at 113.4,47.8 h1
  text "USER BTN1" at 50.4,47.7 h1
  text "Current" at 9.6,45.9 h2 r270
  text "GND" at 4.9,45.6 h2
  text "User Pot" at 113.5,45.6 h1
  text "CNTRL1" at 50.7,45 h1
  text "In" at 5,42.9 h2
  text "CNTRL2" at 50.5,42.9 h1
  text "Ind Current" at 113.4,42.794 h1
  text "User Switch" at 79.8,40.709 h1.7
  text "Ind" at 4.9,40.5 h2
  text "CNTRL3" at 50.8,40.5 h1
  text "In Current" at 113.4,40.419 h1
  text "User  / Portentiometer" at 94.5,39.7 h1.7
  text "VS / BUCK" at 30.6,38.7 h2 r270
  text "Filter Cap" at 47.8,38.6 h1.6 r270
  text "Vout" at 4.9,38.1 h2
  text "BUCK CNTRL" at 50.3,37.5 h1
  text "On" at 76.7,36.6 h1.8
  text "Off" at 89,36.6 h1.8
  text "Vmeas" at 4.9,35.6 h2
  text "USER BTN2" at 50.4,35.3 h1
  text "GND" at 114.3,32.7 h1
  text "LED 2" at 84,32.3 h1.6
  text "LED 3" at 75,32.2 h1.6
  text "BUCK / CNTRL" at 30.1,32.1 h2 r270
  text "LED 4" at 66.5,32.1 h1.6
  text "LED 1" at 93,32.1 h1.6
  text "PWM" at 4.8,32 h2
  text "External" at 35.7,30.9 h1.5
  text "SHUTDOWN" at 50.5,30.9 h1
  text "Inductor" at 8.3,30.7 h1.6
  text "GND" at 114.3,30.2 h1
  text "Vout" at 1.2,29.7 h2 r270
  text "USER LED1" at 50.6,28.5 h1
  text "5V" at 114.4,27.9 h1
  text "USER LED2" at 50.7,25.9 h1
  text "Arduino" at 35.7,25.3 h1.5
  text "Buck / Cntrl" at 40.7,24.6 h2 r270
  text "Load Resistor Switching" at 73.8,24.1 h2
  text "USER LED3" at 50.6,23.3 h1
  text "RESET" at 113.2,23.1 h1
  text "On" at 77,22.6 h1.8
  text "On" at 87.5,22.6 h1.8
  text "Vout" at 22.3,22.5 h2 r270
  text "On" at 67.133,22.4 h1.8
  text "Load1" at 64.2,21.8 h2.3 r270
  text "Load3" at 84.5,21.8 h2.3 r270
  text "Load2" at 74.2,21.6 h2.3 r270
  text "USER SW" at 51.5,21.2 h1
  text "Analyzer" at 44.1,19.6 h1.5 r270
  text "USER LED4" at 50.6,18.5 h1
  text "GND" at 54.8,16 h1
  text "Reset" at 106.9,15.3 h2.3 r270
  text "Inductor / Current" at 1.1,13.1 h1.5 r270
  text "3x 10uF" at 23.2,12.8 h1.5 r270
  text "220uF" at 30.1,12.8 h1.5 r270
  text "Off" at 77,12.4 h1.8
  text "Off" at 87.6,12.4 h1.8
  text "Off" at 67.1,12.2 h1.8
Bottom Overlay:
  drawing of 12 lines, arcs and shapes, not listed
  text "NTC_EXT" at 122.5,52.6 h1
  text "VOut Meas" at 122.3,50.286 h1
  text "VIn Meas" at 122.3,47.6 h1
  text "USER BTN1" at 59.744,47.495 h1
  text "User Pot" at 122.2,45.4 h1
  text "CNTRL1" at 59.444,44.795 h1
  text "CNTRL2" at 59.644,42.695 h1
  text "Ind Current" at 122.3,42.594 h1
  text "CNTRL3" at 59.344,40.295 h1
  text "In Current" at 122.3,40.219 h1
  text "BUCK CNTRL" at 59.844,37.295 h1
  text "USER BTN2" at 59.744,35.095 h1
  text "GND" at 116.6,35 h1
  text "GND" at 117,32.6 h1
  text "SHUTDOWN" at 59.644,30.695 h1
  text "5V" at 116.5,30.1 h1
  text "USER LED1" at 59.544,28.295 h1
  text "USER LED2" at 59.444,25.695 h1
  text "USER LED3" at 59.544,23.095 h1
  text "RESET" at 117.9,22.6 h1
  text "USER SW" at 58.644,20.995 h1
  text "USER LED4" at 59.544,18.295 h1
  text "GND" at 55.344,15.795 h1
M1 (CMP_Body_Top):
  the board outline again, w0.001
Top Assembly Text Top:
  text "MP102" at 121.5,107.8 h1.2 r270
  text "MP103" at 1.6,102 h1.2 r270
  text "X101" at 53.85,97.787 h1.2 r270
  text "S200" at 2.2,96 h1.2 r270
  text "TP102" at 112.8,92.3 h1.2 r270
  text "TP 630" at 45.8,87 h1.2 r270
  text "TP105" at 74,80 h1.2 r270
  text "D320" at 54.7,71.7 h1.2 r270
  text "TP211" at 22.7,63.8 h1.2 r270
  text "X103" at 8,59.1 h1.2
  text "S810" at 93.9,58.4 h1.2 r270
  text "TP532" at 69.5,56.6 h1.2
  text "S560" at 120.3,55.5 h1.2
  text "TP320" at 55.089,54.682 h1.2
  text "TP104" at 29.2,52.4 h1.2 r270
  text "S812" at 94.3,49.5 h1.2 r270
  text "X140" at 5.5,47.7 h1.2 r270
  text "TP160" at 122.3,47.6 h1.2
  text "S814" at 82.1,42 h1.2 r270
  text "TP103" at 76.9,39.1 h1.2 r270
  text "TP401" at 32.3,37.4 h1.2 r270
  text "JP421" at 10.7,36.5 h1.2
  text "X400" at 52.7,36.087 h1.2 r270
  text "JP122" at 32.5,29.8 h1.2 r270
  text "X808" at 66.389,28.323 h1.2
  text "X806" at 86.4,28.2 h1.2
  text "X805" at 78.5,28.1 h1.2
  text "X801" at 95.9,27.442 h1.2
  text "TP431" at 3.7,24.9 h1.2
  text "TP400" at 36.6,24.6 h1.2 r270
  text "S802" at 85.7,23.4 h1.2 r270
  text "S800" at 64.7,23.1 h1.2 r270
  text "S801" at 75,23.1 h1.2 r270
  text "X720" at 44.6,18.21 h1.2 r270
  text "R170" at 52,15.576 h1.2
  text "S110" at 122.2,15 h1.2
  text "X102" at 17.4,14 h1.2
  text "TP600" at 7.7,11.8 h1.2 r270
  text "JP710" at 30.7,11.8 h1.2 r270
  text "X105 (Solder Jumper)" at 52.1,10.658 h1.2 r270
  text "MP100" at 1.6,9.1 h1.2 r270
  text "TP100" at 45.715,8.268 h1.2 r270
  text "X150" at 62.8,7.824 h1.2 r270
  text "TP101" at 107.3,5.1 h1.2 r270
  text "MP101" at 121.8,4.6 h1.2 r270

## Text inside footprints (layer, text, board x,y; h text height)
C210: M13 (CMP_Body_OTL_Top) "-" at 11.221,71.747 h0.6 r270; M13 (CMP_Body_OTL_Top) "+" at 11.195,78.808 h0.6 r270
C212: M13 (CMP_Body_OTL_Top) "-" at 34.495,65.549 h0.6 r270; M13 (CMP_Body_OTL_Top) "+" at 34.521,69.308 h0.6 r270
C701: M13 (CMP_Body_OTL_Top) "-" at 30.049,18.905 h0.6 r180; M13 (CMP_Body_OTL_Top) "+" at 33.808,18.879 h0.6 r180
C715: M13 (CMP_Body_OTL_Top) "-" at 40.351,6.795 h0.6; M13 (CMP_Body_OTL_Top) "+" at 36.592,6.821 h0.6
D210: M13 (CMP_Body_OTL_Top) "K" at 2.095,73.986 h0.6 r270; M13 (CMP_Body_OTL_Top) "A" at 2.121,73.021 h0.6 r270; Top Overlay "K" at 2.2,74.9 h0.5 r270; Top Overlay "A" at 2.3,72 h0.5 r270
D502: M13 (CMP_Body_OTL_Top) "K" at 114.795,78.186 h0.6 r270; M13 (CMP_Body_OTL_Top) "A" at 114.821,77.221 h0.6 r270; Top Overlay "K" at 114.9,79.1 h0.5 r270; Top Overlay "A" at 114.8,76.2 h0.5 r270
D503: M13 (CMP_Body_OTL_Top) "K" at 114.895,71.586 h0.6 r270; M13 (CMP_Body_OTL_Top) "A" at 114.921,70.621 h0.6 r270; Top Overlay "K" at 115,72.5 h0.5 r270; Top Overlay "A" at 115.1,69.6 h0.5 r270
D550: M13 (CMP_Body_OTL_Top) "K" at 114.395,85.486 h0.6 r270; M13 (CMP_Body_OTL_Top) "A" at 114.421,84.521 h0.6 r270; Top Overlay "K" at 114.5,86.4 h0.5 r270; Top Overlay "A" at 114.6,83.5 h0.5 r270
D741: M13 (CMP_Body_OTL_Top) "A" at 72.421,14.321 h0.6 r270; M13 (CMP_Body_OTL_Top) "K" at 72.395,15.286 h0.6 r270; Top Overlay "K" at 72.5,16.3 h0.5 r270; Top Overlay "A" at 72.471,13 h0.5 r270
D801: M13 (CMP_Body_OTL_Top) "K" at 99.486,31.505 h0.6 r180; M13 (CMP_Body_OTL_Top) "A" at 98.521,31.479 h0.6 r180; Top Overlay "K" at 99.7,30.3 h0.5 r90; Top Overlay "A" at 98.1,30.3 h0.5 r90
D804: M13 (CMP_Body_OTL_Top) "A" at 83.121,14.621 h0.6 r270; M13 (CMP_Body_OTL_Top) "K" at 83.095,15.586 h0.6 r270; Top Overlay "A" at 83.171,13.3 h0.5 r270; Top Overlay "K" at 83.146,16.833 h0.5 r270
D805: M13 (CMP_Body_OTL_Top) "A" at 93.321,15.321 h0.6 r270; M13 (CMP_Body_OTL_Top) "K" at 93.295,16.286 h0.6 r270; Top Overlay "A" at 93.371,14 h0.5 r270; Top Overlay "K" at 93.346,17.533 h0.5 r270
D806: M13 (CMP_Body_OTL_Top) "K" at 90.486,31.605 h0.6 r180; M13 (CMP_Body_OTL_Top) "A" at 89.521,31.579 h0.6 r180; Top Overlay "K" at 90.9,30.4 h0.5 r90; Top Overlay "A" at 89.2,30.4 h0.5 r90
D807: M13 (CMP_Body_OTL_Top) "A" at 80.921,31.179 h0.6 r180; M13 (CMP_Body_OTL_Top) "K" at 81.886,31.205 h0.6 r180; Top Overlay "A" at 80.5,30.1 h0.5 r90; Top Overlay "K" at 82.3,30.1 h0.5 r90
D808: M13 (CMP_Body_OTL_Top) "A" at 72.221,31.079 h0.6 r180; M13 (CMP_Body_OTL_Top) "K" at 73.186,31.105 h0.6 r180; Top Overlay "A" at 71.7,29.9 h0.5 r90; Top Overlay "K" at 73.6,29.9 h0.5 r90
R211: M13 (CMP_Body_OTL_Top) "V" at 32.982,77.171 h0.4 r180; M13 (CMP_Body_OTL_Top) "I" at 32.906,78.035 h0.4 r180; M13 (CMP_Body_OTL_Top) "I" at 35.345,78.06 h0.4 r180; M13 (CMP_Body_OTL_Top) "V" at 35.395,77.222 h0.4 r180; Top Overlay "I" at 31.125,78.2 h0.4 r180; Top Overlay "I" at 37.125,78.7 h0.4 r180; Top Overlay "V" at 37.225,76.6 h0.4 r180; Top Overlay "V" at 31.125,76.7 h0.4 r180
R420: M13 (CMP_Body_OTL_Top) "V" at 12.83,10.878 h0.4; M13 (CMP_Body_OTL_Top) "I" at 12.88,10.04 h0.4; M13 (CMP_Body_OTL_Top) "I" at 15.319,10.065 h0.4; M13 (CMP_Body_OTL_Top) "V" at 15.243,10.929 h0.4; Top Overlay "V" at 17.325,11.4 h0.4; Top Overlay "I" at 17.402,10 h0.4; Top Overlay "I" at 10.721,10 h0.4; Top Overlay "V" at 10.658,11.4 h0.4
Vin_unf: Top Assembly Text Top "X100" at 21.75,98.25 h1.2 r270
X110: M12 (Dimension_Bot) "1" at 77.746,55.956 h1.2 r90; M12 (Dimension_Bot) "1" at 105.686,55.905 h1.2 r90; M12 (Dimension_Bot) "1" at 110.69,3.809 h1.2 r90; M12 (Dimension_Bot) "1" at 62.481,5.105 h1.2 r90